# KiCad board VLT.kicad_pcb (continued)
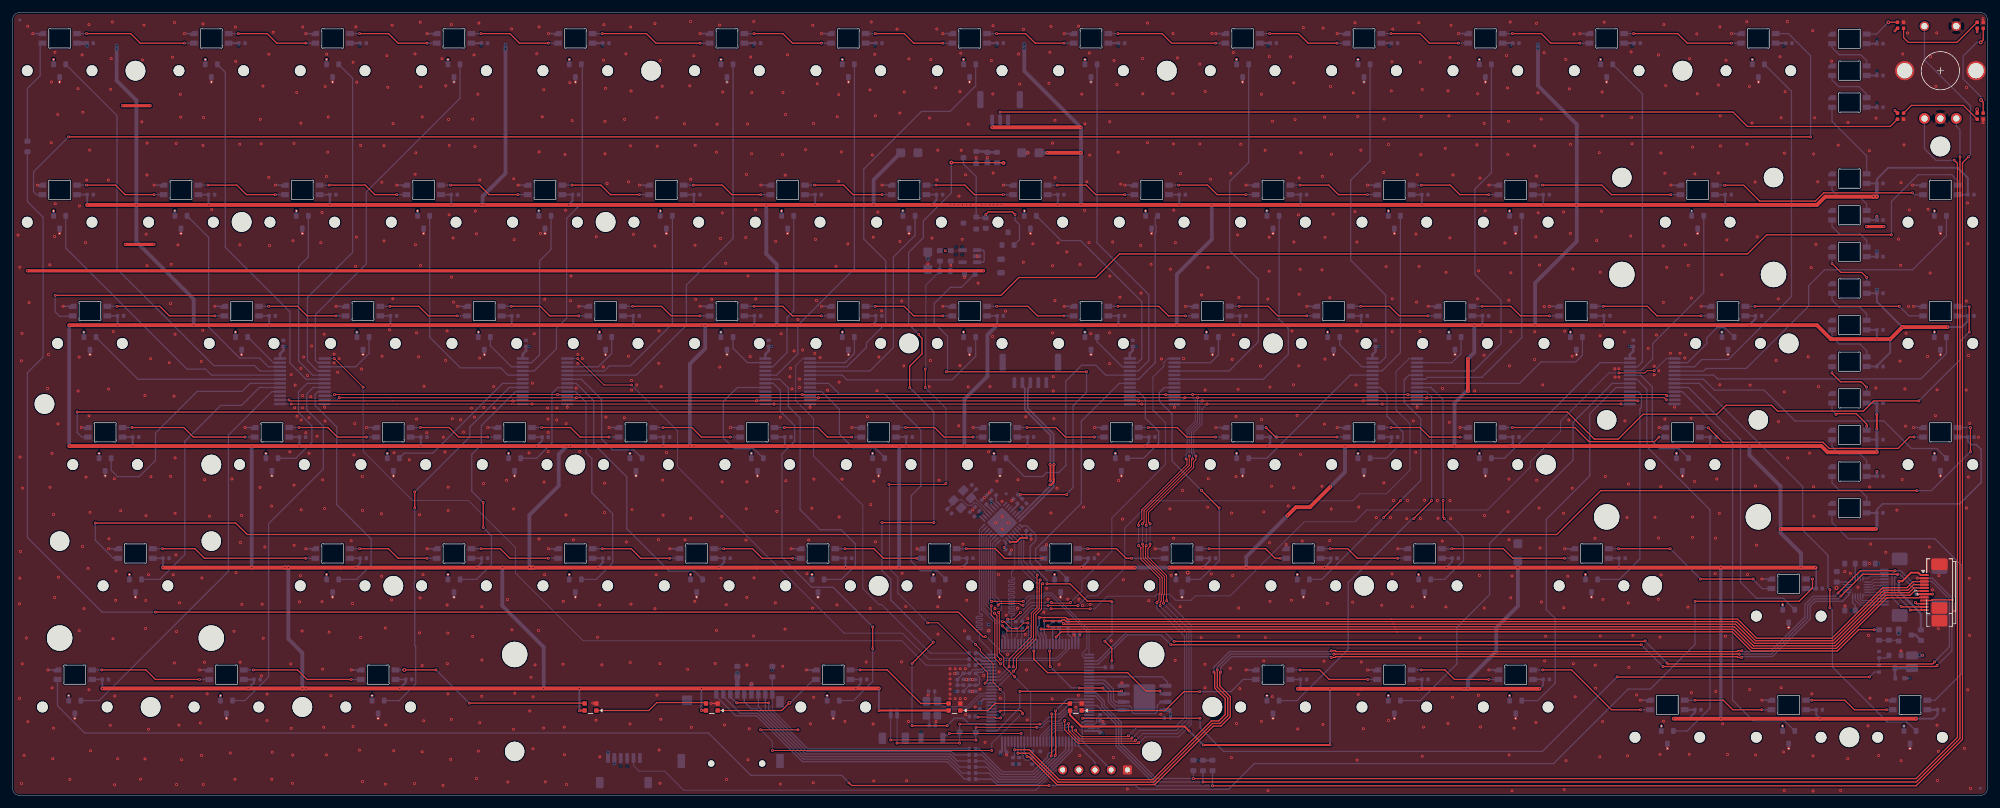
[diagram p0: board, top side]
## Nets (continued)
Net-(LED6-DOUT): LED6.2 LED7.3
Net-(LED7-DOUT): LED7.2 LED8.3
Net-(LED8-DOUT): LED8.2 LED9.3
Net-(LED10-DIN): LED9.2 LED10.3
Net-(LED10-DOUT): LED10.2 LED11.3
Net-(LED11-DOUT): LED11.2 LED12.3
Net-(LED12-DOUT): LED12.2 LED13.3
Net-(LED13-DOUT): LED13.2 LED14.3
Net-(LED14-DOUT): LED14.2 LED15.3
Net-(LED15-DOUT): LED15.2 LED16.3
Net-(LED16-DOUT): LED16.2 LED17.3
Net-(LED17-DOUT): LED17.2 LED18.3
Net-(LED18-DOUT): LED18.2 LED19.3
Net-(LED19-DOUT): LED19.2 LED20.3
Net-(LED20-DOUT): LED20.2 LED21.3
Net-(LED21-DOUT): LED21.2 LED22.3
Net-(LED22-DOUT): LED22.2 LED23.3
Net-(LED23-DOUT): LED23.2 LED24.3
Net-(LED24-DOUT): LED24.2 LED25.3
Net-(LED25-DOUT): LED25.2 LED26.3
Net-(LED26-DOUT): LED26.2 LED27.3
Net-(LED27-DOUT): LED27.2 LED28.3
Net-(LED28-DOUT): LED28.2 LED29.3
Net-(LED29-DOUT): LED29.2 LED30.3
Net-(LED30-DOUT): LED30.2 LED31.3
Net-(LED31-DOUT): LED31.2 LED32.3
Net-(LED32-DOUT): LED32.2 LED33.3
Net-(LED33-DOUT): LED33.2 LED34.3
Net-(LED34-DOUT): LED34.2 LED35.3
Net-(LED35-DOUT): LED35.2 LED36.3
Net-(LED36-DOUT): LED36.2 LED37.3
Net-(LED37-DOUT): LED37.2 LED38.3
Net-(LED38-DOUT): LED38.2 LED39.3
Net-(LED39-DOUT): LED39.2 LED40.3
Net-(LED40-DOUT): LED40.2 LED41.3
Net-(LED41-DOUT): LED41.2 LED42.3
Net-(LED42-DOUT): LED42.2 LED43.3
Net-(LED43-DOUT): LED43.2 LED44.3
Net-(LED44-DOUT): LED44.2 LED45.3
Net-(LED45-DOUT): LED45.2 LED46.3
Net-(LED46-DOUT): LED46.2 LED47.3
Net-(LED47-DOUT): LED47.2 LED48.3
Net-(LED48-DOUT): LED48.2 LED49.3
Net-(LED49-DOUT): LED49.2 LED50.3
Net-(LED50-DOUT): LED50.2 LED51.3
Net-(LED51-DOUT): LED51.2 LED52.3
Net-(LED52-DOUT): LED52.2 LED53.3
Net-(LED53-DOUT): LED53.2 LED54.3
Net-(LED54-DOUT): LED54.2 LED55.3
Net-(LED55-DOUT): LED55.2 LED56.3
Net-(LED56-DOUT): LED56.2 LED57.3
Net-(LED57-DOUT): LED57.2 LED58.3
Net-(LED58-DOUT): LED58.2 LED59.3
Net-(LED59-DOUT): LED59.2 LED60.3
Net-(LED60-DOUT): LED60.2 LED61.3
Net-(LED61-DOUT): LED61.2 LED62.3
Net-(LED62-DOUT): LED62.2 LED63.3
Net-(LED63-DOUT): LED63.2 LED64.3
Net-(LED64-DOUT): LED64.2 LED65.3
Net-(LED65-DOUT): LED65.2 LED66.3
Net-(LED66-DOUT): LED66.2 LED67.3
Net-(LED67-DOUT): LED67.2 LED68.3
Net-(LED68-DOUT): LED68.2 LED69.3
Net-(LED69-DOUT): LED69.2 LED70.3
Net-(LED70-DOUT): LED70.2 LED71.3
Net-(LED71-DOUT): LED71.2 LED72.3
Net-(LED72-DOUT): LED72.2 LED73.3
Net-(LED73-DOUT): LED73.2 LED74.3
Net-(LED74-DOUT): LED74.2 LED75L2.3
Net-(LED75-DIN): LED75.3 LED75L1.1
Net-(LED75-DOUT): LED75.2 LED75R1.3
Net-(LED75L1-DIN): LED75L1.3 LED75L2.1
Net-(LED75R1-DOUT): LED75R1.1 LED75R2.3
Net-(LED75R2-DOUT): LED75R2.1 LED76.3
Net-(LED76-DOUT): LED76.2 LED77.3
Net-(LED77-DOUT): LED77.2 LED78.3
Net-(LED78-DOUT): LED78.2 LED79.3
Net-(LED79-DOUT): LED79.2 LED80.3
Net-(LED80-DOUT): LED80.2 LED81.3
Net-(Q4-G): Q4.1 R14.1 R25.1
Net-(RING1-DOUT): RING1.1 RING2.3
Net-(RING2-DOUT): RING2.1 RING3.3
Net-(RING3-DOUT): RING3.1 RING4.3
Net-(U3-PD8): R3.2 U3.55
Net-(U4-REXT): R22.1 U4.7
Net-(U4-VREG): C16.1 U4.5
Net-(U5-RBIAS): R10.2 U5.32
Net-(U5-VBUS): R1.2 U5.4

Pads without a net: U1 4; U3 2 4 5 8 9 33 37 45 56 57 61 62 70 77 81 82 84 89 90 92 97 98; U5 3 5 10

## Via types
v1: diameter 0.45, hole 0.2, Top to Bottom, 1800 vias
v2: diameter 0.6, hole 0.3, Top to Bottom, 8 vias
v3: diameter 0.6, hole 0.2, Top to Bottom, 72 vias

## Routing (per net, layer and track width the routed paths; a pad name or vN(x,y) marks a point on that pad's centre or on a via; arc(x,y) is an arc through that point)
+1V8_USB: length 12.9
  Top w0.25: v1(156.58,39.81) 157.56,39.81 158.2,40.45 v1(159.21,40.45)
  In1.Cu w0.245: v1(156.58,39.81) 155.89,39.81 152.06,43.64 152.06,44.33 v1(152.02,44.37)
  Bottom w0.245: C2.1 151.76,44.63 v1(152.02,44.37) U5.26
  Bottom w0.25: v1(159.21,40.45) 159.11,40.55 159.11,41.57 C31.1 ; v1(156.58,39.81) U5.15
+1V8A_USB: length 1.4
  Bottom w0.245: C1.1 152.85,45.66 U5.29
+3V3: length 133.1
  Top w0.3: v1(299.09,31.59) 299.11,31.61 J1.7 301.41,31.61 v1(301.41,31.61)
  Top w0.5: v1(291.06,89.39) v1(293.76,89.39) ; v1(17.26,108.39) v1(21.56,108.39) ; v1(17.66,86.59) v1(22.16,86.59)
  Bottom w0.2: 289.31,29.04 288.66,29.04 v1(288.66,29.04) ; C15.1 289.29,29.84 288.88,30.25 U4.20 ; v1(153.6,46.04) 153.91,46.04 154.49,45.46 U5.31
  Bottom w0.245: C6.1 v1(151.51,43.84) 151.85,43.84 U5.25 ; U5.30 153.6,45.62 v1(153.6,46.04) C9.1
  Bottom w0.25: U5.16 155.87,39.81 C8.1 ; C7.1 158.47,44.92 U5.6
  Bottom w0.3: U3.100 155.31,6.99 C12.1 155.08,6.38 v1(155.06,6.36) ; U3.11 152.41,15.11 v1(151.81,14.52) ; 168.99,10.11 170.51,10.11 C17.1 170.89,9.88 170.89,9.89 170.99,9.89 v1(171.16,9.71) ; 185.41,5.51 186.09,5.51 v1(186.11,5.49) 188.34,5.49 ; v1(155.54,25.56) 155.54,25.01 155.81,24.74 U3.27 ; 151.86,14.64 151.84,14.62 ; C11.1 167.31,25.31 U3.50 ; v3(292.94,36.39) 292.46,36.39 292.44,36.36 ; v1(299.09,31.59) 299.11,31.61 J1.7 301.11,31.61 v1(301.41,31.61) ; HE45.1 HE45.1 ; HE52.1 HE52.1 ; U3.6 v1(154.64,12.61)
  Bottom w0.4: HE47.1 HE47.1 ; HE29.1 HE29.1 ; HE62.1 HE62.1 ; HE18.1 HE18.1 ; HE9.1 HE9.1 ; M5.24 213.48,69.31 213.94,69.76 MC5.2 ; HE26.1 HE26.1 ; HE5.1 HE5.1 ; HE37.1 HE37.1 ; MC2.2 80.59,69.86 80.06,69.34 M2.24 ; HE76.1 HE76.1 ; HE69.1 HE69.1 ; HE79.1 HE79.1 ; HE44.1 HE44.1 ; HE81.1 HE81.1 ; HE2.1 HE2.1 ; HE16.1 HE16.1 ; HE4.1 HE4.1 ; HE56.1 HE56.1 ; HE49.1 HE49.1 ; HE66.1 HE66.1 ; M3.24 118.16,69.34 118.69,69.86 MC3.2 ; HE57.1 HE57.1 ; HE24.1 HE24.1 ; HE42.1 HE42.1 ; HE78.1 HE78.1 ; HE58.1 HE58.1 ; HE75.1 HE75.1 ; HE35.1 HE35.1 ; HE59.1 HE59.1 ; HE17.1 HE17.1 ; HE41.1 HE41.1 ; HE54.1 HE54.1 ; HE36.1 HE36.1 ; HE73.1 HE73.1 ; HE13.1 HE13.1 ; HE61.1 HE61.1 ; HE23.1 HE23.1 ; HE65.1 HE65.1 ; HE53.1 HE53.1 ; HE74.1 HE74.1 ; HE15.1 HE15.1 ; HE43.1 HE43.1 ; HE3.1 HE3.1 ; HE6.1 HE6.1 ; HE21.1 HE21.1 ; M6.24 253.89,69.27 254.42,69.79 MC6.2 ; HE72.1 HE72.1 ; HE55.1 HE55.1 ; v1(181.76,12.71) 181.76,12.71 181.76,12.16 C22.1 181.76,12.93 U2.8 ; HE22.1 HE22.1 ; S1.1 v1(142.61,9.94) ; HE31.1 HE31.1 ; HE80.1 HE80.1 ; M1.24 41.96,69.39 42.49,69.91 MC1.2 42.85,70.54 v1(42.86,70.54) ; M4.24 175.38,69.46 175.84,69.91 MC4.2 ; D1.1 v1(297.86,18.39) ; HE40.1 HE40.1 ; HE50.1 HE50.1 ; HE67.1 HE67.1 ; HE70.1 HE70.1 ; HE48.1 HE48.1 ; HE68.1 HE68.1 ; HE63.1 HE63.1 ; HE1.1 HE1.1 ; HE30.1 HE30.1 ; HE12.1 HE12.1 ; HE7.1 HE7.1 ; HE51.1 HE51.1 ; HE33.1 HE33.1 ; HE8.1 HE8.1 ; HE19.1 HE19.1 ; 54.04,72.02 54.04,72.8 ; HE27.1 HE27.1 ; HE64.1 HE64.1 ; HE46.1 HE46.1 ; HE34.1 HE34.1 ; HE25.1 HE25.1 ; HE10.1 HE10.1 ; HE14.1 HE14.1 ; HE20.1 HE20.1 ; HE11.1 HE11.1 ; HE77.1 HE77.1 ; HE71.1 HE71.1 ; HE60.1 HE60.1 ; HE38.1 HE38.1 ; HE39.1 HE39.1 ; HE28.1 HE28.1
  Bottom w0.5: MC3.2 119.11,70.55 v1(119.11,70.54) ; 213.94,70.54 214.46,70.54 v1(214.46,70.55) ; v1(176.41,70.55) MC4.2 ; R23.2 R24.2 ; v1(253.81,70.54) 254.41,70.54 ; v1(147.91,16.33) FB3.2 ; MC2.2 v1(81.11,70.55) ; 119.26,20.26 v1(119.26,19.64)
  Bottom w0.6: J7.5 v1(94.46,4.99) ; v1(299.86,21.99) 298.46,21.99
  Bottom w0.7: C30.1 v3(143.66,84.34) ; SD1.4 C28.1 113.76,19.23 v1(113.77,19.24)
  Bottom w0.8: v1(296.1,25.46) 296.1,26.12
  vias: v1(146.41,85.59) v1(148.06,86.18) v1(148.06,84.99) v1(149.07,86.18) v1(149.07,84.99) v1(153.21,26.84) v1(155.64,38.96) v1(157.51,4.91) v1(158.19,44.93) v1(167.54,25.16) v1(299.36,21.99)
+3V3A: length 8
  Bottom w0.2: U3.21 152.49,20.11 152.14,19.76 150.81,19.76 150.19,19.15 149.25,19.15 148.31,18.21 148.31,17.27 ; FB2.1 FB3.1
+5V: length 405.2
  Top w0.2: v1(165.49,47.26) 158.21,47.26 v1(158.19,47.29) ; v1(168.58,66.57) 168.58,66.56 v1(146.56,66.56)
  Top w0.5: v1(2.29,82.44) v1(152.41,82.44)
  In1.Cu w0.5: v1(93.46,6.74) 93.46,4.96 88.95,0.45 1.13,0.45 0.9,0.46 0.69,0.55 0.54,0.7 0.46,0.9 0.46,80.61 v1(2.29,82.44)
  Bottom w0.2: 152.34,85.64 152.51,85.46 ; 152.51,85.46 152.29,85.69 U1.1 ; 152.51,85.46 152.51,83.99 152.31,83.79 U1.3 ; v1(168.58,66.57) 168.58,63.33 166.46,61.21 166.46,48.39 165.49,47.41 v1(165.49,47.26) ; v1(146.56,66.56) 146.76,66.76 146.76,72.16 144.66,74.26 144.66,77.29 147.21,79.84 148.94,79.84 C13.1
  Bottom w0.3: C3.1 157.82,47.25 R1.1
  Bottom w0.6: J7.6 v1(93.46,6.74)
+5V_LED: length 2320.8
  Top w0.3: v1(308.41,119.99) RING2.4 ; v1(206.81,7.94) 206.77,7.9 v1(186.92,7.9) ; v1(88.96,13.29) 89,13.32 LED75L2.4 ; v2(308.41,107.81) RING3.4 ; v1(135.99,13.31) 136.01,13.32 LED75R1.4 ; LED75R2.4 165.99,12.61 167.79,10.81 183.99,10.81 v1(184.69,10.11) ; LED75L1.4 108.83,13.34 v1(108.11,13.34) ; RING1.4 v1(295.49,120.14) ; v1(292.66,59.89) v1(292.66,57.59) ; v1(295.49,107.64) RING4.4
  Top w0.4: 167.66,104.99 v1(167.71,104.94)
  Top w0.6: v3(228.46,68.59) 228.46,63.61 v3(228.51,63.56) ; v1(260.76,12.04) v3(268.16,12.04) v3(283.76,12.04) v3(298.81,12.04) ; v1(283.06,35.79) v1(280.76,35.79) v3(268.16,35.79) v1(252.16,35.79) v1(236.31,35.79) v1(225.06,35.79) v1(205.96,35.79) v1(193.66,35.79) v1(186.86,35.79) v1(181.56,35.79) ; v1(206.86,48.49) 203.66,45.29 201.46,45.29 v1(200.11,43.94) ; v1(303.76,73.59) v3(296.66,73.59) v1(294.76,71.69) v3(292.66,71.69) 285.46,71.69 283.26,73.89 v3(272.61,73.89) v3(249.76,73.89) v3(239.01,73.89) v3(230.76,73.89) v3(229.46,73.89) v1(211.71,73.89) v1(192.71,73.89) v3(182.76,73.89) v1(173.56,73.89) v1(154.56,73.89) v1(134.91,73.89) v3(119.96,73.89) v3(116.46,73.89) v3(108.71,73.89) v3(108.11,73.89) v3(97.41,73.89) v3(78.36,73.89) v3(59.31,73.89) v3(40.26,73.89) v1(28.41,73.89) v3(16.41,73.89) v1(8.86,73.89) ; v1(239.71,16.74) v1(228.46,16.74) v3(227.86,16.74) v1(220.86,16.74) v1(206.79,16.74) v1(201.76,16.74) ; v1(176.16,35.79) v1(167.79,35.79) v1(149.06,35.79) v1(130.76,35.79) v1(110.86,35.79) v1(91.86,35.79) v3(81.11,35.79) ; v3(292.67,94.09) v3(292.11,94.09) 284.56,94.09 283.26,92.79 v1(268.86,92.79) v3(245.56,92.79) v1(240.36,92.79) v1(221.26,92.79) v1(202.16,92.79) v3(188.26,92.79) v1(183.16,92.79) v1(164.06,92.79) v3(148.46,92.79) v1(144.26,92.79) v1(135.16,92.79) v1(125.96,92.79) v3(118.31,92.79) v1(106.96,92.79) v1(87.26,92.79) v3(74.01,92.79) v3(73.51,92.79) v1(68.86,92.79) v1(49.76,92.79) v1(30.76,92.79) v3(19.41,92.79) v1(11.66,92.79) ; v1(23.56,35.79) v3(37.51,35.79) v3(42.71,35.79) v3(43.26,35.79) v1(53.86,35.79) v1(72.86,35.79) v1(76.86,35.79) v3(81.71,35.79) ; v1(14.06,16.79) v1(36.96,16.79) v3(45.46,16.79) v1(60.76,16.79) v1(83.36,16.79) v1(88.96,16.79) v1(108.11,16.79) v1(135.99,16.79) ; v1(277.54,41.85) v1(292.52,41.85) ; v1(292.67,53.92) 284.93,53.92 283.96,54.89 v1(272.66,54.89) v1(266.46,54.89) v1(235.06,54.89) 235.04,54.87 226.38,54.87 v3(226.36,54.89) v1(215.76,54.89) v1(209.16,54.89) v1(196.96,54.89) v1(177.76,54.89) 177.74,54.87 159.28,54.87 v1(159.26,54.89) v1(149.41,54.89) v1(139.16,54.89) v1(121.26,54.89) v3(106.31,54.89) v3(106.96,54.89) v1(102.06,54.89) v3(87.56,54.89) v3(87.01,54.89) v1(82.26,54.89) v1(64.06,54.89) v3(37.51,54.89) v1(18.86,54.89) v1(8.86,54.89) ; v1(153.76,104.99) 167.66,104.99 ; v1(162.41,100.99) v1(167.71,100.99)
  In1.Cu w0.45: v1(292.67,53.92) v1(292.67,50.89)
  In1.Cu w0.6: v3(292.67,85.49) 292.67,84.04 292.66,84.04 292.66,79.49 v3(292.67,79.49) 292.67,79.93 ; v3(292.67,85.49) CA8.1 v3(292.67,85.49) ; v3(292.67,85.49) 292.67,90.98 v1(292.66,90.99) 292.67,90.99 v3(292.67,94.09)
  Bottom w0.2: 206.81,16.72 v1(206.79,16.74) ; 184.71,10.11 v1(184.69,10.11)
  Bottom w0.25: LED45.1 CL45.1 ; 197.42,118.14 v1(197.06,117.79) ; LED3.1 CL3.1 54.55,117.87 v1(54.46,117.79) ; LED57.1 CL57.1 ; LED79.1 CL79.1 ; v1(225.06,35.79) 226,36.72 CL69.1 LED69.1 ; LED47.1 CL47.1 ; LED49.1 CL49.1 ; LED58.1 CL58.1 306.96,55.63 307.47,55.12 308.28,55.12 309.04,54.36 309.04,49.17 305.67,45.81 293.56,45.81 292.67,44.91 CA1.1 ; LED15.1 CL15.1 ; LED35.1 CL35.1 ; LED20.1 CL20.1 ; LED66.1 CL66.1 ; LED74.1 CL74.1 ; LED76.1 CL76.1 202.18,17.16 v1(201.76,16.74) ; LED16.1 CL16.1 ; LED54.1 CL54.1 ; 216.47,118.09 v1(216.16,117.79) ; LED11.1 CL11.1 ; LED33.1 CL33.1 ; LED70.1 CL70.1 252.19,35.81 v1(252.16,35.79) ; LED80.1 CL80.1 ; v1(283.06,35.79) 283.15,35.7 CL71.1 LED71.1 ; LED19.1 CL19.1 ; 235.52,118.14 v1(235.16,117.79) ; LED25.1 CL25.1 ; v1(35.46,117.79) 35.5,117.82 CL2.1 LED2.1 ; 276.79,118.22 CL14.1 ; LED59.1 CL59.1 ; LED23.1 CL23.1 ; LED32.1 CL32.1 ; LED65.1 CL65.1 ; v1(154.46,117.79) 154.56,117.88 CL8.1 LED8.1 ; LED18.1 CL18.1 ; v1(73.56,117.79) 73.6,117.82 CL4.1 LED4.1 ; LED21.1 CL21.1 ; LED51.1 CL51.1 ; LED12.1 CL12.1 ; LED50.1 CL50.1 ; LED64.1 CL64.1 ; v1(220.86,16.74) 221.23,17.11 CL77.1 LED77.1 ; LED52.1 CL52.1 ; LED5.1 CL5.1 92.65,117.87 v1(92.56,117.79) ; v1(239.71,16.74) 240.28,17.31 CL78.1 LED78.1 ; LED60.1 CL60.1 ; LED26.1 CL26.1 ; v1(132.36,16.79) 133.13,17.55 CL75.1 LED75.1 ; LED67.1 CL67.1 ; LED37.1 CL37.1 ; 143.44,94.4 CL22.1 ; LED63.1 CL63.1 ; LED41.1 CL41.1 ; LED24.1 CL24.1 ; LED9.1 CL9.1 173.61,117.83 v1(173.56,117.79) ; v1(116.26,117.79) 116.46,117.98 CL6.1 LED6.1 ; LED13.1 CL13.1 ; 254.57,118.09 v1(254.26,117.79) ; LED30.1 CL30.1 ; LED61.1 CL61.1 ; LED36.1 CL36.1 ; LED7.1 CL7.1 135.51,117.93 v1(135.36,117.79) ; LED56.1 CL56.1 ; LED53.1 CL53.1 ; LED27.1 CL27.1 ; LED55.1 CL55.1 ; LED44.1 CL44.1 ; LED28.1 268.86,94.4 ; LED17.1 CL17.1 ; LED46.1 CL46.1 ; LED34.1 CL34.1 ; LED81.1 CL81.1 ; LED72.1 CL72.1 ; LED48.1 CL48.1 ; LED29.1 CL29.1 ; LED39.1 CL39.1 ; LED42.1 CL42.1 ; LED43.1 CL43.1 ; LED40.1 211.71,75.35 ; LED38.1 CL38.1 ; 278.38,118.11 v1(278.06,117.79) ; LED31.1 40.26,75.35 ; LED10.1 CL10.1 ; LED62.1 CL62.1 ; LED68.1 CL68.1
  Bottom w0.3: v1(14.06,16.79) 14.06,16.79 CL72.1 ; CL56.1 235.52,55.34 v1(235.06,54.89) ; v3(116.46,73.89) 116.46,73.89 CL35.1 ; v1(303.76,73.59) 306.01,73.59 306.96,74.53 CL44.1 ; AMB10.1 CA10.1 292.67,96.84 294.46,98.63 305.35,98.63 306.96,97.02 CL29.1 ; CL65.1 149.8,36.52 v1(149.06,35.79) ; CL23.1 164.08,92.81 v1(164.06,92.79) ; LED3.1 CL3.1 ; LED6.1 CL6.1 ; v3(298.81,12.04) 301.56,12.04 302.2,12.67 CL81.1 LED81.1 ; 292.67,108.76 CG1.1 GLO1.1 ; CL25.1 202.18,92.81 v1(202.16,92.79) ; AMB2.1 CA2.1 ; v1(88.96,13.29) v1(88.96,16.79) ; CL42.1 249.81,73.93 v3(249.76,73.89) ; v1(102.06,54.89) 102.17,54.99 CL49.1 ; v1(64.06,54.89) 64.07,54.89 CL47.1 ; v1(215.76,54.89) 216.47,55.59 CL55.1 ; LED11.1 CL11.1 ; v1(68.86,92.79) 68.83,92.82 CL18.1 ; CL67.1 187.9,36.82 v1(186.86,35.79) ; v3(78.36,73.89) 78.36,73.89 CL33.1 ; CL62.1 92.65,36.57 v1(91.86,35.79) ; CL21.1 125.98,92.81 v1(125.96,92.79) ; v1(18.86,54.89) 18.83,54.92 CL45.1 ; v1(260.76,12.04) 263.11,12.04 264.1,13.02 CL79.1 LED79.1 ; AMB6.1 CA6.1 292.67,71.69 v3(292.66,71.69) 292.67,71.68 ; v1(106.96,92.79) 106.93,92.82 CL20.1 ; AMB9.1 CA9.1 ; CL30.1 16.45,73.92 v3(16.41,73.89) ; v1(140.26,54.89) 140.27,54.89 CL51.1 ; CL19.1 87.88,93.41 v1(87.26,92.79) ; CL59.1 23.59,35.81 v1(23.56,35.79) ; v1(221.26,92.79) 221.23,92.82 CL26.1 ; CL37.1 154.56,73.89 v1(154.56,73.89) ; v3(59.31,73.89) 59.31,73.89 CL32.1 ; 40.26,75.35 40.26,73.89 v3(40.26,73.89) ; CL74.1 61.69,17.71 v1(60.76,16.79) ; v1(49.76,92.79) 49.78,92.81 CL17.1 ; LED71.1 CL71.1 ; v3(97.41,73.89) 97.41,73.89 CL34.1 ; CL22.1 145.03,93.56 v1(144.26,92.79) ; v1(134.91,73.89) 135.51,74.48 CL36.1 ; v1(72.86,35.79) 73.6,36.52 CL61.1 ; v1(240.36,92.79) 240.28,92.87 CL27.1 ; CL41.1 230.76,73.89 v3(230.76,73.89) ; CL14.1 276.79,118.22 ; 268.86,94.4 268.86,92.79 v1(268.86,92.79) ; v1(53.86,35.79) 54.55,36.47 CL60.1 ; CL68.1 206.95,36.77 v1(205.96,35.79) ; CL38.1 173.61,73.93 v1(173.56,73.89) ; CL52.1 159.32,54.94 v1(159.26,54.89) ; CL63.1 111.7,36.62 v1(110.86,35.79) ; v1(167.79,35.79) 168.85,36.84 CL66.1 ; v1(196.96,54.89) 197.42,55.34 CL54.1 ; v1(36.96,16.79) 37.88,17.7 CL73.1 LED73.1 ; CL24.1 183.13,92.82 v1(183.16,92.79) ; AMB3.1 CA3.1 ; v1(135.99,16.79) v1(135.99,13.31) ; LED5.1 CL5.1 ; v1(130.76,35.79) 130.75,35.8 CL64.1 ; LED10.1 CL10.1 ; v1(206.81,7.94) 206.81,16.72 ; 292.67,118.78 CG3.1 GLO3.1 ; v1(44.96,54.89) 45.02,54.94 CL46.1 ; LED80.1 CL80.1 283.15,12.65 v3(283.76,12.04) ; AMB5.1 CA5.1 292.67,67.49 294.76,69.59 v1(294.76,71.69) ; v1(186.92,7.9) 184.71,10.11 ; CL2.1 LED2.1 ; AMB4.1 CA4.1 ; CL50.1 121.22,54.93 v1(121.26,54.89) ; CL15.1 11.68,92.81 v1(11.66,92.79) ; v3(296.66,73.59) 292.67,77.58 CA7.1 AMB7.1 ; v1(82.26,54.89) 83.12,55.74 CL48.1 ; 211.71,75.35 211.71,73.89 v1(211.71,73.89) ; v1(108.11,16.79) v1(108.11,13.34) ; v1(30.76,92.79) 30.73,92.82 CL16.1 ; LED12.1 CL12.1 ; LED8.1 CL8.1 ; GLO2.1 CG2.1 v1(292.67,113.84) ; v1(177.76,54.89) 178.37,55.49 CL53.1 ; LED9.1 CL9.1 ; AMB1.1 CA1.1 ; v1(266.46,54.89) 266.48,54.9 CL57.1 ; CL43.1 273.62,74.89 v3(272.61,73.89) ; CL39.1 192.66,73.94 v1(192.71,73.89) ; LED4.1 CL4.1 ; CA8.1 AMB8.1 ; LED7.1 CL7.1 ; LED13.1 CL13.1
  Bottom w0.4: J4.1 v1(153.76,104.99)
  Bottom w0.45: v1(292.66,59.89) 292.67,59.89 CA4.1 ; v1(292.66,57.59) 292.66,53.92 v1(292.67,53.92) ; v1(292.67,50.89) CA2.1
  Bottom w0.5: CA1.1 292.66,44.37 292.66,42 v1(292.52,41.85) ; v3(268.16,12.04) v3(268.16,35.79)
  Bottom w0.6: v1(154.56,73.89) 153.03,72.35 153.03,65.85 149.41,62.24 v1(149.41,54.89) ; v3(37.51,35.79) v3(37.51,54.89) ; v3(228.46,68.59) 229.46,69.59 v3(229.46,73.89) ; v3(167.71,92.79) v1(167.71,100.99) v1(167.71,104.94) 158.81,113.84 v3(158.81,117.44) v3(158.81,118.04) ; v3(292.67,85.49) CA8.1 ; v3(106.96,54.89) v3(106.31,54.89) 106.31,67.81 108.71,70.21 v3(108.71,73.89) v3(108.11,73.89) ; v1(272.66,54.89) 272.66,53.46 277.54,48.59 v1(277.54,41.85) 277.54,41.26 280.76,38.04 v1(280.76,35.79) ; v1(193.66,35.79) 193.66,37.49 v1(200.11,43.94) ; v3(292.11,94.09) v3(292.67,94.09) CA10.1 ; C23#2.1 v1(236.31,35.79) 236.31,29.74 232.91,26.34 232.91,22.64 228.46,18.19 v1(228.46,16.74) v3(227.86,16.74) ; v3(119.96,73.89) 119.96,83.44 118.31,85.09 v3(118.31,92.79) ; v1(83.36,16.79) 83.36,23.29 76.86,29.79 v1(76.86,35.79) ; v1(206.86,48.49) 209.16,50.79 v1(209.16,54.89) ; CA9.1 292.66,90.42 v1(292.66,90.99) ; v1(176.16,35.79) v1(181.56,35.79) ; v3(77.36,117.94) v3(77.36,117.34) 77.36,97.74 73.76,94.14 73.76,93.04 ; v1(139.16,35.79) v1(139.16,54.89) v1(140.26,54.89) ; LED1.1 CL1.1 11.68,117.81 v1(11.66,117.79) ; v3(226.36,54.89) 226.36,61.64 228.29,63.56 v3(228.51,63.56) ; v1(8.86,73.89) v1(8.86,54.89) ; 73.76,93.04 v3(74.01,92.79) v3(73.51,92.79) 73.76,93.04 ; v3(182.76,73.89) 182.76,81.89 188.26,87.39 v3(188.26,92.79) ; v3(81.71,35.79) v3(81.11,35.79) 81.11,44.04 85.71,48.64 85.71,53.59 v3(87.01,54.89) v3(87.56,54.89) ; v3(239.46,117.99) v3(239.46,117.39) 239.46,111.54 245.56,105.44 v3(245.56,92.79) 245.56,87.09 239.01,80.54 v3(239.01,73.89) ; v3(42.71,35.79) v3(43.26,35.79) 43.26,24.59 45.46,22.39 v3(45.46,16.79) v3(46.06,16.79) ; C23.1 135.16,96.74 v1(135.16,92.79) ; v3(292.67,79.49) CA7.1 ; v1(28.41,73.89) 28.41,77.99 19.41,86.99 v3(19.41,92.79) 19.41,109.24 16.31,112.34 v3(16.31,117.29) v3(16.31,117.84) ; C24.1 v1(162.41,100.99)
  vias: v1(292.66,118.79) v1(292.66,108.76) v3(147.16,92.79) v3(147.81,92.79) v3(149.11,92.79) v3(149.76,92.79) v3(150.36,92.79) v3(152.16,92.79) v3(152.76,92.79) v3(153.36,92.79) v3(153.96,92.79) v3(154.56,92.79) v3(155.16,92.79)
GND: length 205.5
  Top w0.2: v1(309.33,122.07) 309.36,122.04 RING2.2 ; v1(299.02,34.11) J1.2 ; v1(109.62,14.44) 110.66,14.44 LED75L1.2 ; v1(91.06,14.49) 91.13,14.42 LED75L2.2 ; RING3.2 309.36,105.73 v1(309.33,105.7)
  Bottom w0.15: C26.2 171.07,11.71 v1(171.19,11.59)
  Bottom w0.2: U2.4 174.12,17.24 174.12,17.65 v1(174.11,17.66) ; 305.14,120.89 ENC1.S1 ; 288.29,33.11 287.36,33.11 ; v1(220.48,60.99) 220.46,61.01 220.46,61.04 220.48,61.07 M5.12 ; M3.12 v1(125.16,60.99) ; v1(260.89,61.02) M6.12 ; v1(182.38,60.99) 182.38,61.01 182.38,61.01 M4.12 ; v1(159.89,40.26) 159.8,40.35 C31.2 ; C8.2 156.55,38.3 v1(156.79,38.54) ; M1.12 v1(48.96,60.99) ; M2.12 v1(87.06,60.99)
  Bottom w0.25: LED4.4 v1(65.05,119.72) ; LED19.4 v1(79.34,95.9) ; LED42.4 v1(241.26,76.85) ; LED53.4 v1(169.83,57.8) ; v1(199.92,39.41) 199.9,39.39 LED68.4 ; 233.24,19.7 v1(231.74,19.7) ; LED40.4 v1(203.16,76.85) ; LED30.4 v1(7.9,76.85) ; LED14.4 v1(269.84,119.72) ; LED23.4 v1(155.54,95.9) ; LED76.4 v1(193.64,19.7) ; LED20.4 v1(98.39,95.9) ; LED60.4 v1(46,38.75) ; LED38.4 v1(165.06,76.85) ; LED55.4 v1(207.93,57.8) ; LED3.4 v1(46,119.72) ; LED11.4 v1(207.93,119.72) ; LED31.4 v1(31.71,76.85) ; LED2.4 v1(26.95,119.72) ; LED67.4 v1(179.35,38.75) ; LED18.4 v1(60.29,95.9) ; LED39.4 v1(184.11,76.85) ; LED15.4 v1(3.86,95.9) ; LED50.4 v1(112.68,57.8) ; LED66.4 161.8,38.87 v1(162.31,39.39) ; LED57.4 v1(258.46,57.8) ; LED77.4 v1(212.69,19.7) ; LED9.4 v1(165.06,119.72) ; LED22.4 v1(136.49,95.9) ; LED51.4 v1(131.73,57.8) ; LED64.4 v1(122.2,38.75) ; LED43.4 v1(265.08,76.85) ; LED10.4 v1(188.88,119.72) ; 176.09,95.9 v1(174.59,95.9) ; LED58.4 v1(298.41,57.8) ; LED7.4 v1(126.96,119.72) ; LED1.4 v1(3.14,119.72) ; LED52.4 v1(150.78,57.8) ; LED70.4 v1(243.64,38.75) ; LED33.4 v1(69.81,76.85) ; LED72.4 v1(5.52,19.7) ; LED32.4 v1(50.76,76.85) ; LED71.4 v1(274.6,33.99) ; LED74.4 v1(53.14,19.7) ; LED16.4 v1(22.19,95.9) ; LED63.4 v1(103.15,38.75) ; LED28.4 v1(260.31,95.9) ; LED56.4 v1(227.21,57.8) ; LED29.4 v1(298.26,95.9) ; LED6.4 v1(107.91,119.72) ; LED62.4 v1(84.1,38.75) ; 233.24,95.9 v1(231.74,95.9) ; LED41.4 v1(222.21,76.85) ; LED13.4 v1(246.03,119.72) ; LED37.4 v1(146.01,76.85) ; LED69.4 v1(217.45,38.75) ; LED80.4 v1(274.6,14.94) ; LED75.4 v1(124.58,19.7) ; LED79.4 v1(255.55,14.94) ; LED34.4 v1(88.86,76.85) ; LED17.4 v1(41.24,95.9) ; LED47.4 v1(55.53,57.8) ; LED21.4 v1(117.44,95.9) ; LED36.4 v1(126.96,76.85) ; LED54.4 v1(188.88,57.8) ; LED25.4 v1(193.64,95.9) ; LED59.4 v1(15.04,38.75) ; LED65.4 v1(141.96,38.75) ; LED81.4 v1(294.16,14.94) ; LED49.4 v1(93.63,57.8) ; LED48.4 v1(74.58,57.8) ; LED35.4 v1(107.91,76.85) ; LED8.4 v1(146.01,119.72) ; LED12.4 v1(226.98,119.72) ; LED61.4 v1(65.05,38.75) ; LED26.4 v1(212.69,95.9) ; LED5.4 v1(84.1,119.72) ; LED46.4 v1(36.48,57.8) ; LED44.4 v1(298.41,76.85) ; LED45.4 v1(10.76,57.8) ; LED73.4 v1(29.33,19.7)
  Bottom w0.3: C3.2 157.1,46.57 v1(156.84,46.31) ; U3.99 155.81,6.99 C12.2 156.04,6.34 v1(156.04,6.34) ; 168.99,10.61 170.51,10.61 C17.2 170.79,10.84 171.14,11.19 171.53,11.19 ; C11.2 166.81,25.31 U3.49 ; 151.91,13.56 C32.2 151.84,13.59 ; C13.2 v1(149.44,81.41) ; C14.2 v1(147.26,83.29)
  Bottom w0.4: HE25.3 HE25.3 ; HE20.3 HE20.3 ; HE34.3 HE34.3 ; HE44.3 HE44.3 ; HE41.3 HE41.3 ; HE1.3 HE1.3 ; HE12.3 HE12.3 ; 180.8,12.16 C22.2 ; HE28.3 HE28.3 ; HE42.3 HE42.3 ; HE5.3 HE5.3 ; HE35.3 HE35.3 ; HE29.3 HE29.3 ; HE57.3 HE57.3 ; HE30.3 HE30.3 ; HE27.3 HE27.3 ; HE62.3 HE62.3 ; HE10.3 HE10.3 ; HE21.3 HE21.3 ; HE48.3 HE48.3 ; HE22.3 HE22.3 ; HE70.3 HE70.3 ; HE79.3 HE79.3 ; HE26.3 HE26.3 ; HE64.3 HE64.3 ; HE19.3 HE19.3 ; HE31.3 HE31.3 ; HE2.3 HE2.3 ; HE32.3 HE32.3 ; HE54.3 HE54.3 ; HE75.3 HE75.3 ; HE61.3 HE61.3 ; HE63.3 HE63.3 ; HE47.3 HE47.3 ; HE81.3 HE81.3 ; HE36.3 HE36.3 ; Q2.2 v1(151.26,100.24) ; HE3.3 HE3.3 ; HE53.3 HE53.3 ; HE9.3 HE9.3 ; HE74.3 HE74.3 ; HE39.3 HE39.3 ; R7.1 v1(153.01,100.24) ; Q4.2 v1(296.46,22.69) ; HE68.3 HE68.3 ; HE16.3 HE16.3 ; HE23.3 HE23.3 ; HE72.3 HE72.3 ; HE66.3 HE66.3 ; HE71.3 HE71.3 ; HE60.3 HE60.3 ; HE69.3 HE69.3 ; HE78.3 HE78.3 ; HE49.3 HE49.3 ; HE18.3 HE18.3 ; HE56.3 HE56.3 ; HE67.3 HE67.3 ; HE8.3 HE8.3 ; HE73.3 HE73.3 ; HE58.3 HE58.3 ; HE15.3 HE15.3 ; HE38.3 HE38.3 ; HE11.3 HE11.3 ; HE51.3 HE51.3 ; HE14.3 HE14.3 ; HE77.3 HE77.3 ; HE43.3 HE43.3 ; HE33.3 HE33.3 ; HE55.3 HE55.3 ; HE6.3 HE6.3 ; HE7.3 HE7.3 ; HE24.3 HE24.3 ; HE40.3 HE40.3 ; HE65.3 HE65.3 ; HE76.3 HE76.3 ; HE37.3 HE37.3 ; HE13.3 HE13.3 ; HE46.3 HE46.3 ; HE17.3 HE17.3 ; HE50.3 HE50.3 ; HE80.3 HE80.3 ; HE4.3 HE4.3 ; HE59.3 HE59.3
  Bottom w0.5: C34.1 C35.1 ; v1(147.87,19.15) 148.31,19.15 ; 149.26,18.19 151.16,18.19
  Bottom w0.6: C24.2 v1(159.36,100.99)
  Bottom w0.7: SD1.6 v1(115.96,17.51)